# Altium PCB PCB_121224_01AA.PcbDoc (part 2 of 2)
Units mm, origin at the board's own origin, x right, y up, seen from the top; angles counter-clockwise.
Board outline 80 x 51 mm, 4 copper layers (Top Layer, Layer 1, Layer 2, Bottom Layer), stack 1.578 mm thick; 124 components, 66 nets, 343 pads, 298 vias.
Unrouted connection lines stored in the file: 81.
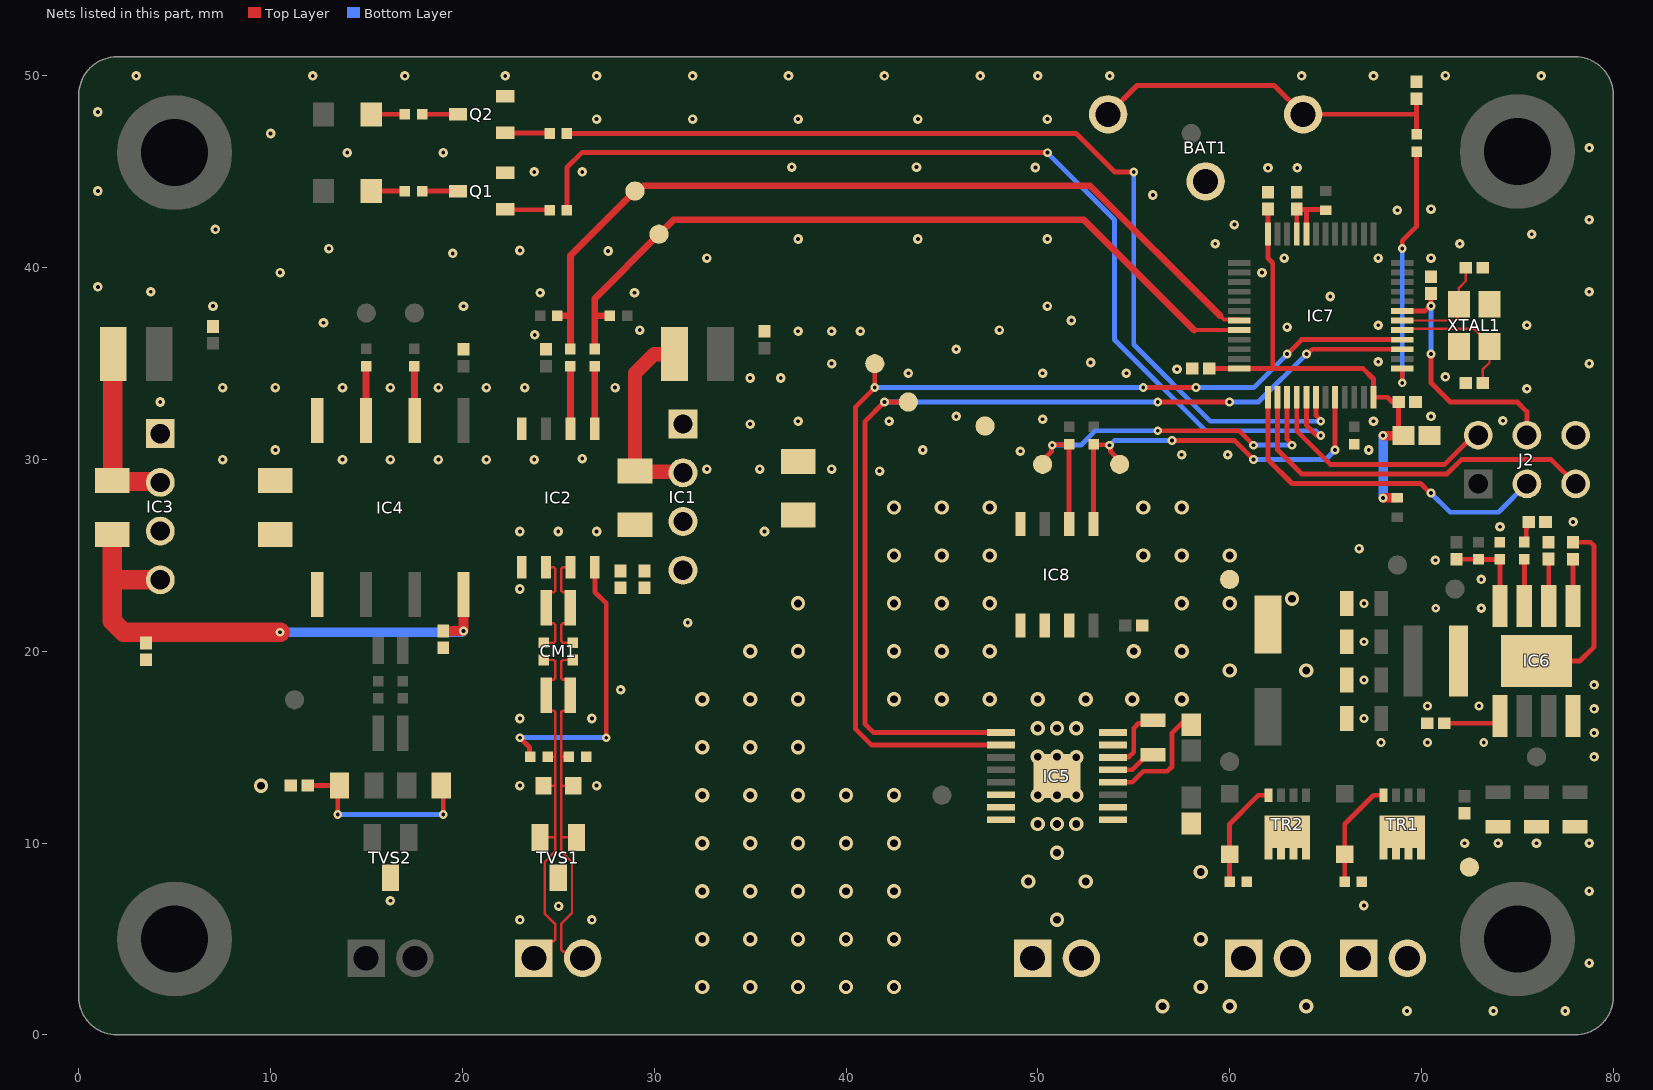
[diagram p4: the nets of this part, all layers, seen from the top]

## Via types
v1: diameter 0.5, hole 0.2, Top Layer to Bottom Layer, tented both sides, 157 vias
v2: diameter 0.75, hole 0.4, Top Layer to Bottom Layer, tented both sides, 88 vias
v3: diameter 0.46, hole 0.2, Top Layer to Bottom Layer, tented both sides, 53 vias

## Nets (pads, with @x,y where several pads share a name; then routed paths per layer and width w, separated by ;. In a path a pad name is that pad's centre, name@x,y a point inside that pad or via, vN(x,y) a via of type N, cw(c..) or ccw(c..) an arc to the next point about the centre after c; other vN are vias at no path point) (continued)
GND: BAT1.2 C2.1 C3.1 C5.1 C7.1 C10.1 C13.1 C14.2 C17.1 C18.1 C19.1 C20.1 C22.1 C23.1 C24.1 C25.1 C26.1 C27.1 C28.1 C30.1 C31.1 C32.1 C33.1 C34.1 C35.1 C36.1 C39.1 C41.1 C42.1 C43.1 CON4.1 CON5.1 IC1.1 IC2.4 IC3.1 IC4.4 IC5.6 IC5.7 IC5.9 IC5.15 IC5.16 IC5.EPAD IC6.4 IC8.4 IC8.5 IC8.6 IC8.7 J2.6 Q1.2 Q2.2 R17.1 R20.1 R21.1 R24.1 TP3.1 TP5.1 TP7.1 XTAL1.2 XTAL1.4
  other v1: 69.25,1.25 73.75,1.25 77.5,1.25 78.75,3.75 67,6.75 78.75,7.5 72.25,10 74,10 76,10 78.75,10 79,14.5 79,15.75 79,17 79,18.25 73.116,22.25 73.116,23.75 70.73,24.75 66.75,25.358 74.095,26.5 77.905,26.75 41.75,29.4 32.75,29.5 35.5,29.5 39.25,29.5 7.5,30 13.75,30 16.25,30 18.75,30 21.25,30 23.75,30 26.25,30.05 57.5,30.25 59.903,30.25 49.095,30.437 10.25,30.5 44,30.5 67.25,30.5 35,31.85 37.5,32 42.25,32 67.5,32 74.25,32.02 50.25,32.104 45.75,32.25 70.5,32.25 4.25,33 75.5,33.69 7.5,33.75 10.25,33.75 13.75,33.75 16.25,33.75 18.75,33.75 21.25,33.75 23.25,33.75 27.96,33.75 35,34.25 36.6,34.25 71.25,34.31 43.25,34.5 50.25,34.5 54.62,34.5 57.255,34.706 39.25,35 78.75,35 52.75,35.06 67.75,35.098 45.75,35.75 23.775,36.5 37.5,36.69 39.25,36.69 40.75,36.69 29.25,36.75 48,36.75 63,36.902 67.75,37 75.5,37 12.76,37.137 51.75,37.25 20.06,37.99 7,38 50.5,38 65.25,38.5 24.05,38.7 28.975,38.7 3.75,38.75 78.75,38.75 1,39 10.5,39.75 61.69,39.75 32.75,40.5 62.848,40.5 67.75,40.5 70.5,40.5 19.5,40.75 27.6,40.875 23,40.9 13.043,41 59.25,41.25 72,41.25 37.5,41.5 43.75,41.5 50.5,41.5 75.75,41.75 7.121,42 60.25,42.25 78.75,42.5 68.75,43 70.5,43.06 56,43.793 1,44 23.75,45 26.25,45 62,45.207 63.53,45.207 49.875,45.225 37.175,45.25 43.675,45.25 14,46 19,46 78.75,46.25 10,47 27,47.75 32,47.75 37.5,47.75 43.75,47.75 50.5,47.75 1,48.121 3,50 12.2,50 17,50 22.235,50 27,50 32,50 37,50 42,50 47,50 50,50 53.75,50 63.75,50 67.5,50 76.25,50 71.25,50.02
  other v2: 56.5,1.5 60,1.5 64,1.5 32.5,2.5 35,2.5 37.5,2.5 40,2.5 42.5,2.5 58.5,2.5 32.5,5 35,5 37.5,5 40,5 42.5,5 58.5,5 51,6 32.5,7.5 35,7.5 37.5,7.5 40,7.5 42.5,7.5 49.5,8 52.5,8 58.5,8.5 51,9.5 32.5,10 35,10 37.5,10 40,10 42.5,10 50,11 51,11 52,11 32.5,12.5 35,12.5 37.5,12.5 40,12.5 42.5,12.5 50,12.5 51,12.5 52,12.5 52,14.475 50,14.5 51,14.5 32.5,15 35,15 37.5,15 50,16 51,16 52,16 32.5,17.5 35,17.5 37.5,17.5 42.5,17.5 45,17.5 47.5,17.5 50,17.5 52.5,17.5 54.925,17.5 57.5,17.5 60,19 64,19 35,20 37.5,20 42.5,20 45,20 47.5,20 55,20 57.5,20 37.5,22.5 42.5,22.5 45,22.5 47.5,22.5 57.5,22.5 60,22.5 63.25,22.75 42.5,25 45,25 47.5,25 55.5,25 57.5,25 60,25 42.5,27.5 45,27.5 47.5,27.5 55.5,27.5 57.5,27.5
  other v3: 67.9,15.25 70.31,15.25 73.25,15.25 67,16.5 70.31,17.15 73,17.15 67,18.5 67,20.5 70.75,22.25 67,22.5
GND_CAN: C9.1 C11.1 C40.1 C41.2 IC3.3 IC4.5 TVS2.3
  other v1: 16.25,7
  other v2: 9.5,13
GND_RS485: C4.1 C6.1 C7.2 IC1.3 IC2.5 R9.1 TVS1.3
  other v1: 23,6 26.75,6 25.017,6.721 23,13 27,13 23,16.5 26.75,16.5 28.25,18 31.75,21.5 23,23.25 23,26.25 25,26.25 27,26.25 35.75,26.25
I2C_SCL: IC7.39 IC8.2 R23.1 TP15.1 | length 22
  Top Layer w0.254: TP15.1@50.25,29.75 50.25,29.952 50.711,30.412 50.711,30.711 v3(50.75,30.75) 50.775,30.775 51.61,30.775 R23.1@51.635,30.8 IC8.2@51.635,26.65 ; v3(56.25,31.5) 60.5,31.5 v3(61.25,30.75) ; IC7.39@63,33.25 63,31.056 63.25,30.806 v3(63.25,30.75)
  Bottom Layer w0.254: v3(50.75,30.75) 52.25,30.75 53,31.5 v3(56.25,31.5) ; v3(61.25,30.75) v3(63.25,30.75)
I2C_SDA: IC7.44 IC8.1 R22.1 TP14.1 | length 21.5
  Top Layer w0.254: IC8.1@52.905,26.65 R22.1@52.905,30.8 52.93,30.775 53.716,30.775 v3(53.741,30.75) 53.78,30.711 53.78,30.437 54.266,29.952 TP14.1@54.266,29.75 ; v3(57,30.991) 60.259,30.991 v3(61.25,30) ; v3(65.5,30.5) IC7.44@65.5,33.25
  Bottom Layer w0.254: v3(53.741,30.75) 53.752,30.75 53.993,30.991 v3(57,30.991) ; v3(61.25,30) 65,30 v3(65.5,30.5)
LED_1: IC7.41 R27.2 | length 54
  Top Layer w0.254: R27.2@25.45,43 25.45,45.225 26.225,46 v3(50.5,46) ; IC7.41@64,33.25 64,31.794 64.305,31.489 64.504,31.289 64.711,31.289 v3(64.75,31.25)
  Bottom Layer w0.254: v3(50.5,46) 54,42.5 54,36.25 58.75,31.5 64.498,31.5 64.748,31.25 v3(64.75,31.25)
LED_2: IC7.42 R28.2 | length 52.1
  Top Layer w0.254: R28.2@25.45,47 52,47 54,45 v3(55,45) ; IC7.42@64.5,33.25 64.5,32.306 64.75,32.056 v3(64.75,32)
  Bottom Layer w0.254: v3(55,45) 55,36 59,32 v3(64.75,32)
MOTOR_EN: IC5.1 IC7.3 TP9.1 | length 53.9
  Top Layer w0.254: TP9.1@43.25,33 v3(42,33) 41,32 41,16.2 41.425,15.775 IC5.1@48.073,15.775 ; v3(56.25,33) v3(60,33) ; v3(64,35.5) 64.056,35.5 64.306,35.75 IC7.3@69,35.75
  Bottom Layer w0.254: v3(42,33) v3(56.25,33) ; v3(60,33) 61.5,33 v3(64,35.5)
MOTOR_PH: IC5.2 IC7.4 TP8.1 | length 55.9
  Top Layer w0.254: TP8.1@41.5,35 v3(41.5,33.75) 40.5,32.75 40.5,15.95 41.325,15.125 IC5.2@48.073,15.125 ; v3(55.5,33.75) v3(58.25,33.75) ; v3(63,35.5) 63.75,36.25 IC7.4@69,36.25
  Bottom Layer w0.254: v3(41.5,33.75) v3(55.5,33.75) ; v3(58.25,33.75) 61.25,33.75 v3(63,35.5)
NetBAT1_1: BAT1.1 C43.2 R29.1 | length 19.2
  Top Layer w0.254: BAT1.1@53.67,48 55.17,49.5 62.33,49.5 BAT1.1@63.83,48 69.75,48 ; R29.1@69.755,46.945 R29.1@69.75,46.95 69.75,48 ; C43.2@69.755,48.805 C43.2@69.75,48.81 69.75,48
NetC1_1: C1.1 IC1.2 L1.2 | length 10.1
  Top Layer w0.75: L1.2@31.054,35.5 30,35.5 29,34.5 C1.1@29,29.4 29.045,29.355 31.455,29.355 IC1.2@31.5,29.31
NetC11_2: C11.2 R14.1 R15.1 | length 10.2
  Top Layer w0.254: C11.2@11.94,13 R14.1@13.6,13 13.5,12.9 v3(13.5,11.5) ; R15.1@18.9,13 19,12.9 v3(19,11.5)
  Bottom Layer w0.254: v3(13.5,11.5) v3(19,11.5)
NetC12_1: C12.1 IC5.12 | length 6.4
  Top Layer w0.254: IC5.12@53.927,13.175 54.925,13.175 55.5,13.75 56.75,13.75 57,14 57,15.75 57.5,16.25 57.925,16.25 C12.1@58,16.175
NetC16_1: C16.1 IC5.13 | length 2.4
  Top Layer w0.254: IC5.13@53.927,13.825 54.925,13.825 55.7,14.6 C16.1@56,14.6
NetC16_2: C16.2 IC5.14 | length 3.6
  Top Layer w0.254: IC5.14@53.927,14.475 53.952,14.5 54.75,14.5 55,14.75 55,16 55.25,16.25 55.85,16.25 C16.2@56,16.4
NetC21_1: C21.1 IC6.5 | length 2.4
  Top Layer w0.254: IC6.5@77.905,22.37 C21.1@77.905,24.811
NetC21_2: C21.2 IC6.9 L2.1 | length 9.7
  Top Layer w0.254: IC6.9@76,19.5 78.25,19.5 79,20.25 79,25.5 78.809,25.691 C21.2@77.905,25.691
NetC26_2: C26.2 IC6.1 | length 3.1
  Top Layer w0.254: C26.2@71.171,16.25 73.822,16.25 74.095,16.523 IC6.1@74.095,16.63
NetC27_2: C27.2 IC6.6 | length 2.4
  Top Layer w0.254: IC6.6@76.635,22.37 C27.2@76.635,24.816
NetC28_2: C28.2 R18.1 | length 0.9
  Top Layer w0.254: R18.1@75.365,25.701 75.462,25.799 75.462,26.402 C28.2@75.56,26.5
NetC29_1: C29.1 IC6.8 R19.2 R20.2 | length 4.7
  Top Layer w0.254: C29.1@71.831,24.808 71.834,24.805 71.837,24.802 72.969,24.802 R19.2@72.975,24.796 72.977,24.794 74.093,24.794 R20.2@74.095,24.792 IC6.8@74.095,22.37
NetC30_2: C30.2 IC7.20 IC7.21 L3.1 | length 4.1
  Top Layer w0.254: IC7.21@63.5,41.75 C30.2@63.5,43.06 63.53,43.03 64.97,43.03 L3.1@65,43 ; IC7.20@64,41.75 64,43
NetC31_2: C31.2 C32.2 C33.2 C34.2 IC7.24 IC7.36 IC7.48 L4.1 | length 26.8
  Top Layer w0.254: C33.2@58.94,34.75 IC7.36@60.5,34.75 61.644,34.75 62.25,34.75 ; C31.2@61.817,42.877 C31.2@62,43.06 IC7.24@62,41.75 62,40.75 62,40.5 62.25,40.25 62.25,34.75 ; L4.1@68.72,28.03 L4.1@68.75,28 ; C34.2@69.075,31.25 68.81,31.515 C32.2@68.81,33 68.48,33 68.23,33.25 IC7.48@67.5,33.25 67.5,34.2 66.95,34.75 62.25,34.75
  Top Layer w0.5: v3(68,28) L4.1@68.75,28 ; v3(68,31.25) C34.2@69.075,31.25
  Bottom Layer w0.5: v3(68,28) v3(68,31.25)
NetC38_1: C38.1 IC3.2 L5.2 | length 9.1
  Top Layer w1: L5.2@1.8,35.5 1.775,35.475 1.775,28.925 1.845,28.855 4.205,28.855 IC3.2@4.25,28.81
NetCON3_1: CON3.1 IC5.8
NetCON3_2: CON3.2 IC5.10
NetCON4_2: CON4.2 TR1.3
NetCON5_2: CON5.2 TR2.3
NetD1_1: D1.1 R17.2 TR1.2 | length 5.6
  Top Layer w0.254: R17.2@66,8 D1.1@66,9.425 66,11 67.5,12.5 TR1.2@68.025,12.5
NetD2_1: D2.1 R21.2 TR2.2 | length 5.6
  Top Layer w0.254: R21.2@60,8 D2.1@60,9.425 60,11 61.5,12.5 TR2.2@62.025,12.5
NetLED1_2: LED1.2 R25.2 | length 1.7
  Top Layer w0.254: LED1.2@15.25,44 R25.2@17,44
NetLED2_2: LED2.2 R26.2 | length 1.7
  Top Layer w0.254: LED2.2@15.25,48 R26.2@17,48
NetQ1_1: Q1.1 R27.1 | length 2.3
  Top Layer w0.254: Q1.1@22.235,43.05 22.26,43.025 24.525,43.025 R27.1@24.55,43
NetQ1_3: Q1.3 R25.1 | length 1.9
  Top Layer w0.254: R25.1@17.9,44 Q1.3@19.765,44
NetQ2_1: Q2.1 R28.1 | length 2.3
  Top Layer w0.254: Q2.1@22.235,47.05 22.26,47.025 24.525,47.025 R28.1@24.55,47
NetQ2_3: Q2.3 R26.1 | length 1.9
  Top Layer w0.254: R26.1@17.9,48 Q2.3@19.765,48
NetR6_2: IC2.1 R6.2 | length 3.3
  Top Layer w0.355: IC2.1@26.905,31.607 R6.2@26.905,34.865
NetR7_2: IC2.2 R7.2 | length 3.3
  Top Layer w0.355: IC2.2@25.635,31.607 R7.2@25.635,34.865
NetR11_2: IC4.3 R11.2 | length 2.8
  Top Layer w0.355: IC4.3@14.98,32.035 R11.2@14.98,34.875
NetR12_2: IC4.2 R12.2 | length 2.8
  Top Layer w0.355: R12.2@17.5,34.875 17.51,34.865 17.51,32.045 IC4.2@17.52,32.035
NetR18_2: IC6.7 R18.2 | length 2.4
  Top Layer w0.254: IC6.7@75.365,22.37 R18.2@75.365,24.801
NRST: C42.2 IC7.7 J2.4 | length 13.1
  Top Layer w0.254: IC7.7@69,37.75 70.194,37.75 70.444,38 v3(70.5,38) C42.2@70.5,38.658 ; v3(70.5,35.5) 70.5,34 71.5,33 75,33 75.5,32.5 J2.4@75.5,31.27
  Bottom Layer w0.254: v3(70.5,35.5) v3(70.5,38)
OSC_IN: C35.2 IC7.5 XTAL1.1 | length 7.1
  Top Layer w0.127: IC7.5@69,36.75 69.066,36.816 72.759,36.816 73.55,36.025 XTAL1.1@73.55,35.9 73.55,35.05 73.19,34.69 C35.2@73.19,34
OSC_OUT: C36.2 IC7.6 XTAL1.3 | length 5.7
  Top Layer w0.127: IC7.6@69,37.25 71.75,37.25 71.9,37.4 71.9,38.05 XTAL1.3@71.95,38.1 71.95,38.95 72.31,39.31 C36.2@72.31,40
RS485__N: CM1.2 IC2.6 R8.1 | length 5.5
  Top Layer w0.125: R8.1@24.25,20.45 24.763,20.45 24.836,20.523 24.836,21.147 24.836,21.396 24.763,21.469 24.602,21.469 24.365,21.707 CM1.2@24.365,22.275 24.365,22.843 24.602,23.081 24.763,23.081 24.836,23.154 24.836,24.32 24.763,24.393 IC2.6@24.365,24.393
RS485__P: CM1.1 IC2.7 R5.1 | length 5.5
  Top Layer w0.125: IC2.7@25.635,24.393 25.237,24.393 25.164,24.32 25.164,23.154 25.237,23.081 25.398,23.081 25.635,22.843 CM1.1@25.635,22.275 25.635,21.707 25.398,21.469 25.237,21.469 25.164,21.396 25.164,21.011 25.164,20.523 25.237,20.45 R5.1@25.75,20.45
RS485_N: CM1.3 CON1.1 R3.2 R4.2 R8.2 TVS1.2 | length 19.4
  Top Layer w0.125: CON1.1@23.73,4 24.626,4.896 24.763,4.896 24.836,4.969 24.836,5.79 24.285,6.34 24.285,9.01 24.836,9.56 24.836,10.3 ; TVS1.2@24.05,10.3 24.836,10.3 ; R4.2@24.225,13 24.836,13 ; R8.2@24.25,19.55 24.763,19.55 24.836,19.477 24.836,18.853 24.836,18.604 24.763,18.531 24.602,18.531 24.365,18.293 CM1.3@24.365,17.725 24.365,17.157 24.602,16.919 24.763,16.919 24.836,16.846 24.836,14.5 ; R3.2@24.45,14.5 24.836,14.5 ; 24.836,10.3 24.836,13 ; 24.836,13 24.836,14.5
RS485_P: CM1.4 CON1.2 R4.1 R5.2 R9.2 TVS1.1 | length 19.8
  Top Layer w0.125: R9.2@25.55,14.5 25.164,14.5 ; R5.2@25.75,19.55 25.237,19.55 25.164,19.477 25.164,18.989 25.164,18.604 25.237,18.531 25.398,18.531 25.635,18.293 CM1.4@25.635,17.725 25.635,17.157 25.398,16.919 25.237,16.919 25.164,16.846 25.164,14.5 ; R4.1@25.775,13 25.164,13 ; TVS1.1@25.95,10.3 25.164,10.3 ; CON1.2@26.27,4 25.921,4.349 25.249,4.349 25.164,4.434 25.164,5.81 25.715,6.36 25.715,9.01 25.164,9.56 25.164,10.3 ; 25.164,10.3 25.164,13 ; 25.164,13 25.164,14.5
RS485_RX: IC7.32 R2.1 R6.1 TP11.1 | length 41.1
  Top Layer w0.2: 58.152,36.75 IC7.32@60.5,36.75
  Top Layer w0.355: R6.1@26.905,35.765 26.905,37.5 ; R2.1@27.685,37.5 26.905,37.5 ; 58.152,36.75 52.402,42.5 31,42.5 TP11.1@30.25,41.75 26.905,38.405 26.905,37.5
RS485_TX: IC7.31 R1.1 R7.1 TP10.1 | length 44.8
  Top Layer w0.2: 59.5,37.5 59.698,37.302 60.448,37.302 IC7.31@60.5,37.25
  Top Layer w0.355: R1.1@24.95,37.5 25.635,37.5 ; R7.1@25.635,35.765 25.635,37.5 ; 59.5,37.5 52.725,44.275 29.45,44.275 29.175,44 TP10.1@29,44 25.635,40.635 25.635,37.5
SWCLK: IC7.38 J2.5 | length 19.6
  Top Layer w0.254: IC7.38@62.5,33.25 62.5,30.5 63.676,29.324 63.75,29.25 71.331,29.25 72.081,30 76.77,30 J2.5@78.04,28.73
SWDIO: IC7.37 J2.3 | length 18.5
  Top Layer w0.254: IC7.37@62,33.25 62,30 63.25,28.75 69.956,28.75 70.456,28.25 v3(70.5,28.25)
  Bottom Layer w0.254: v3(70.5,28.25) 71.5,27.25 74.02,27.25 J2.3@75.5,28.73
TRACESWO: IC7.40 J2.2 | length 12.6
  Top Layer w0.254: IC7.40@63.5,33.25 63.5,31.5 65.25,29.75 71.211,29.75 72.731,31.27 J2.2@72.96,31.27
VBAT: IC7.1 R29.2 | length 13.1
  Top Layer w0.254: v3(69,34) IC7.1@69,34.75 ; v3(69,41) 69,41.403 69.75,42.153 R29.2@69.75,46.05
  Bottom Layer w0.254: v3(69,34) v3(69,41)
VCC_CAN: C9.2 C38.2 C40.2 IC3.4 IC4.8 | length 28.5
  Top Layer w0.5: C9.2@19,21.06 v3(20.06,21.06) IC4.8@20.06,22.965
  Top Layer w1: C38.2@1.75,26.1 1.75,23.73 ; IC3.4@4.25,23.73 1.75,23.73 ; v3(10.5,21) 2.336,21 1.75,21.586 1.75,23.73
  Bottom Layer w0.5: v3(10.5,21) v3@20,21
VCC_RS485: C1.2 C4.2 C6.2 IC1.4 IC2.8 R3.1 | length 14.9
  Top Layer w0.254: v3(23,15.5) 23.5,15 23.5,14.55 R3.1@23.55,14.5 ; IC2.8@26.905,24.393 26.905,23.095 27.5,22.5 v3(27.5,15.5)
  Bottom Layer w0.254: v3(23,15.5) v3(27.5,15.5)
pads on no net: F1.1 F2.1 F3.1 F4.1 H1.1 H2.1 H3.1 H4.1 IC5.3 IC5.4 IC7.2 IC7.8 IC7.9 IC7.10 IC7.11 IC7.12 IC7.13 IC7.14 IC7.15 IC7.16 IC7.17 IC7.18 IC7.19 IC7.22 IC7.23 IC7.25 IC7.26 IC7.27 IC7.28 IC7.29 IC7.30 IC7.35 IC7.43 IC7.46 IC7.47 IC8.3
copper on no net: | length 1.2
  Top Layer w0.2: 436.524,211.664 437.691,211.664

## Polygon pours and split planes (outlines as drawn)
GND on Bottom Layer "Bottom Layer-GND" (solid, pour order 38): 77.75,0.75 79.25,2.25 79.25,48.75 77.25,50.75 2.25,50.75 0.25,48.75 0.25,29.25 42.75,29.25 32.75,19.25 29.75,16.25 29.75,0.75 66.75,0.75
GND_CAN on Bottom Layer "GND_CAN_L04_P035" (solid, pour order 35): 0.5,26.75 20,26.75 20,19.5 20,5.5 10.5,5.5 0.5,15.5
GND_RS485 on Bottom Layer "GND_RS485_L04_P031" (solid, pour order 31): 22.5,5.5 27.5,5.5 27.5,16.5 37.5,26.5 38.5,26.5 38.5,27 22.5,27
GND on Top Layer (solid, pour order 41): 30,1 30.5,0.5 78,0.5 79.5,2 79.5,48.5 77.5,50.5 2.5,50.5 0.5,48.5 0.5,29 39.875,29 39.875,25.875 30,16
GND_CAN on Top Layer "GND_CAN_L01_P036" (solid, pour order 36): 0.5,26.75 20,26.75 20,19.5 20,5.5 10.5,5.5 0.5,15.5
GND_RS485 on Top Layer "GND_RS485_L01_P029" (solid, pour order 29): 22.5,5.5 27.5,5.5 27.5,16.5 37.45,26.45 38.5,26.45 38.5,27 22.5,27
NetCON3_2 on Top Layer "Top Layer-NetCON3_2" (solid, pour order 37): 52,3 56.5,3 57,3.5 57,11.5 56.447,12.053 53.197,12.053 53.197,11.697 54.803,11.697 55.25,11.25 55.25,10.75 55,10.5 54,10.5 53.75,10.25 53.75,5 52,5
VCC_RS485 on Top Layer "Top Layer-VCC_RS485" (solid, pour order 8): 26.651,23.809 27.449,23.809 27.5,23.86 32.25,23.86 32.25,25 29.9,25 29.9,27 28.1,27 28.1,25 26.674,25 26.651,24.977
+5V on Top Layer "Top Layer-+5V" (solid, pour order 27): 65.55,12.125 66.45,12.125 66.45,13.025 66.675,13.25 68.465,13.25 68.465,12.15 78.65,12.15 78.75,12.25 78.75,13.815 77,15.565 77,17.75 74.985,17.75 74.965,17.73 74.965,15.53 74.185,14.75 65.75,14.75 65.55,14.55
NetC21_2 on Top Layer "NETC21_2_L01_P017" (solid, pour order 17): 77.85,18.15 72.925,18.15 72.425,17.65 71.445,17.65 71.445,21.35 72.425,21.35 72.925,20.85 77.85,20.85
+3V3 on Top Layer "+3V3_L01_P024" (solid, pour order 24): 67.55,15.85 68.255,15.85 70.055,17.65 70.055,27.25 67.55,27.25
NetCON4_2 on Top Layer "NETCON4_2_L01_P016" (solid, pour order 16): 67.815,11.455 67.815,5.86 68.3,5.375 68.3,4 70.245,4 70.185,4.06 70.185,11.455
NetCON5_2 on Top Layer "NETCON5_2_L01_P015" (solid, pour order 15): 61.815,11.455 61.815,5.935 62.25,5.5 62.25,4 64.25,4 64.185,4.065 64.185,11.455
+12V on Top Layer "+12V_L01_P014" (solid, pour order 14): 53.197,12.347 56.653,12.347 56.875,12.125 60.45,12.125 61.325,13 62.465,13 62.465,12.15 64.185,12.15 64.185,17.565 63.65,18.1 61.3,18.1 58.6,15.4 57.5,15.4 57.5,14.25 56.75,13.5 55.75,13.5 54.953,12.703 53.197,12.703
NetCON3_1 on Top Layer "NETCON3_1_L01_P009" (solid, pour order 9): 48.803,11.403 44.903,11.403 44.5,11 44.5,3.5 45,3 50.75,3 50.75,5 48.25,5 48.25,10.5 48.75,10.5 48.803,10.553
GND_RS485 on Layer 2 (split plane): 28.291,17.209 28.205,17.11 28.132,17.001 28.074,16.884 28.032,16.759 28.006,16.631 27.998,16.5 27.998,0.51 22.252,0.51 22.252,26.748 37.831,26.748
GND_CAN on Layer 2 (split plane): 20.248,0.51 2,0.51 1.985,0.509 1.833,0.518 1.668,0.546 1.507,0.592 1.353,0.656 1.206,0.737 1.07,0.834 0.945,0.945 0.834,1.07 0.737,1.206 0.656,1.353 0.592,1.507 0.546,1.668 0.518,1.833 0.509,1.985 0.51,2 0.51,26.748 20.248,26.748
GND on Layer 2 (split plane): 2,50.49 78,50.49 78.015,50.491 78.167,50.482 78.332,50.454 78.493,50.408 78.647,50.344 78.794,50.263 78.93,50.166 79.055,50.055 79.166,49.93 79.263,49.794 79.344,49.647 79.408,49.493 79.454,49.332 79.482,49.167 79.491,49.015 79.49,49 79.49,2 79.491,1.985 79.482,1.833 79.454,1.668 79.408,1.507 79.344,1.353 79.263,1.206 79.166,1.07 79.055,0.945 78.93,0.834 78.794,0.737 78.647,0.656 78.493,0.592 78.332,0.546 78.167,0.518 78.015,0.509 78,0.51 30.002,0.51 30.002,16.085 40.959,27.041 41.045,27.14 41.091,27.208 41.118,27.249 41.157,27.328 41.176,27.366 41.218,27.491 41.244,27.619 41.252,27.75 41.244,27.881 41.218,28.009 41.176,28.134 41.118,28.251 41.081,28.306 41.045,28.36 40.959,28.459 40.86,28.545 40.806,28.581 40.751,28.618 40.634,28.676 40.509,28.718 40.381,28.744 40.25,28.752 21.336,28.752 21.293,28.749 21.25,28.752 0.51,28.752 0.51,49 0.509,49.015 0.518,49.167 0.546,49.332 0.592,49.493 0.656,49.647 0.737,49.794 0.834,49.93 0.945,50.055 1.07,50.166 1.206,50.263 1.353,50.344 1.507,50.408 1.668,50.454 1.833,50.482 1.985,50.491
GND_RS485 on Layer 1 (split plane): 28.291,17.209 28.205,17.11 28.132,17.001 28.074,16.884 28.032,16.759 28.006,16.631 27.998,16.5 27.998,0.51 22.252,0.51 22.252,26.748 37.831,26.748
GND_CAN on Layer 1 (split plane): 20.248,0.51 2,0.51 1.985,0.509 1.833,0.518 1.668,0.546 1.507,0.592 1.353,0.656 1.206,0.737 1.07,0.834 0.945,0.945 0.834,1.07 0.737,1.206 0.656,1.353 0.592,1.507 0.546,1.668 0.518,1.833 0.509,1.985 0.51,2 0.51,26.748 20.248,26.748
GND on Layer 1 (split plane): 2,50.49 78,50.49 78.015,50.491 78.167,50.482 78.332,50.454 78.493,50.408 78.647,50.344 78.794,50.263 78.93,50.166 79.055,50.055 79.166,49.93 79.263,49.794 79.344,49.647 79.408,49.493 79.454,49.332 79.482,49.167 79.491,49.015 79.49,49 79.49,2 79.491,1.985 79.482,1.833 79.454,1.668 79.408,1.507 79.344,1.353 79.263,1.206 79.166,1.07 79.055,0.945 78.93,0.834 78.794,0.737 78.647,0.656 78.493,0.592 78.332,0.546 78.167,0.518 78.015,0.509 78,0.51 30.002,0.51 30.002,16.085 40.959,27.041 41.045,27.14 41.091,27.208 41.118,27.249 41.157,27.328 41.176,27.366 41.218,27.491 41.244,27.619 41.252,27.75 41.244,27.881 41.218,28.009 41.176,28.134 41.118,28.251 41.081,28.306 41.045,28.36 40.959,28.459 40.86,28.545 40.806,28.581 40.751,28.618 40.634,28.676 40.509,28.718 40.381,28.744 40.25,28.752 21.336,28.752 21.293,28.749 21.25,28.752 0.51,28.752 0.51,49 0.509,49.015 0.518,49.167 0.546,49.332 0.592,49.493 0.656,49.647 0.737,49.794 0.834,49.93 0.945,50.055 1.07,50.166 1.206,50.263 1.353,50.344 1.507,50.408 1.668,50.454 1.833,50.482 1.985,50.491

## Keep-outs
Keep-Out Layer:
  the board outline again, w0.1

## Other copper
Layer 1 (plane layer: these items are gaps in the copper):
  lines w2: 0,27.75 21.25,27.75 21.25,0 ; 21.25,27.664 21.336,27.75 40.25,27.75 29,16.5 29,0
Layer 2 (plane layer: these items are gaps in the copper):
  lines w2: 0,27.75 21.25,27.75 21.25,0 ; 21.336,27.75 40.25,27.75 29,16.5 29,0

## Silkscreen, mask and mechanical layers (free items; w line width, h text height)
Top Overlay:
  text "'.pDocumentNumber'" at 30,48.75 h1.52
Bottom Overlay:
  text "'.pDocumentNumber'" at 41.75,48.75 h1.52
Mechanical 24:
  lines w0.127: -107.077,-13.578 -101.997,-13.578 ; -107.077,34.682 -101.997,34.682 ; -107.077,82.942 -101.997,82.942 ; -101.997,-52.847 179.943,-52.847 ; -34.052,-61.838 -34.052,-56.758 ; -34.052,126.122 -34.052,131.202 ; -25.822,-37.024 104.912,-37.024 ; -25.822,-30.177 104.828,-30.177 ; -25.822,-22.189 104.912,-22.189 ; -25.822,-14.327 104.912,-14.327 ; -25.822,1.538 104.912,1.538 ; -25.822,9.484 104.912,9.484 ; -25.822,16.331 104.828,16.331 ; -25.822,24.32 104.912,24.32 ; -25.822,32.181 104.912,32.181 ; -25.822,40.085 104.912,40.085 ; -25.822,47.016 104.912,47.016 ; -25.822,53.948 104.912,53.948 ; -25.822,60.443 104.861,60.443 ; -25.822,67.008 104.912,67.008 ; -16.185,97.902 -16.168,97.92 95.362,97.92 ; -11.55,-44.97 -11.55,-6.314 ; -11.55,-6.366 -11.55,78.843 ; 13.913,-44.973 13.913,-6.314 ; 13.913,-6.366 13.913,78.843 ; 21,87.311 21,109.739 21.015,109.754 ; 38.973,-61.838 38.973,-56.758 ; 38.973,126.122 38.973,131.202 ; 58.201,87.311 58.201,109.754 ; 67.751,-44.97 67.751,-6.644 67.751,-6.339 ; 67.751,-6.308 67.751,78.927 ; 111.998,-61.838 111.998,-56.758 ; 111.998,126.122 111.998,131.202 ; 179.943,-13.578 185.023,-13.578 ; 179.943,34.682 185.023,34.682 ; 179.943,82.942 185.023,82.942 ; -101.997,-56.758 179.943,-56.758 ; -101.997,-56.758 179.943,-56.758 ; -101.997,-56.758 -101.997,126.122 179.943,126.122 179.943,-56.758 ; -25.822,-6.366 -25.822,-44.97 104.912,-44.97 104.912,-6.366 ; -25.822,-6.366 -25.822,78.927 104.912,78.927 104.912,-6.366 ; -25.822,-6.366 104.912,-6.366 ; 179.943,-56.758 65.643,-56.758 179.943,-56.758 ; 179.943,-56.758 179.943,-26.278 179.943,-56.758 ; -107.077,-61.838 185.023,-61.838 185.023,131.202 -107.077,131.202 -107.077,-61.838 ; -16.185,87.311 95.362,87.311 95.362,109.754 -16.185,109.754 -16.185,87.311
  text "1" at -70.831,127.773 h1.78
  text "2" at 1.813,127.773 h1.78
  text "3" at 74.965,127.773 h1.78
  text "4" at 147.863,127.773 h1.78
  text ".DocumentName" at -92.32,114.972 h4.57
  text "A" at -105.172,104.76 h1.78
  text "A" at 183.118,104.76 h1.78
  text "ONAYLAYAN" at 69.123,103.135 h2.03
  text "KONTROL EDEN" at 28.737,102.957 h2.03
  text "HAZIRLAYAN" at -7.179,102.906 h2.03
  text "DONANIM MUHENDISI /  / .pPreparedBy" at -14.382,89.139 h1.52
  text "KALITE KONTROL SORUMLUSU /  / .FO_CheckedBy" at 21.472,89.139 h1.52
  text "PROJE YONETICISI /  / .FO_ApprovedBy" at 60.004,89.139 h1.52
  text "DEGISIKLIK KAYITLARI" at 22.488,79.716 h2.03
  text "Yayin Tarihi" at -9.617,72.045 h2.03
  text "Aciklama" at 32.75,72.045 h2.03
  text "Revize Eden" at 76.285,72.045 h2.03
  text "Rev. / Kodu" at -23.511,70.648 h2.03
  text "+" at -24.426,63.155 h1.52
  text "29.06.2020" at -9.617,63.155 h1.52
  text "ilk yayin" at 15.427,63.155 h1.52
  text "B" at -105.172,56.704 h1.78
  text "B" at 181.848,56.704 h1.78
  text "C" at -105.172,8.19 h1.78
  text "C" at 181.848,8.19 h1.78
  text "D" at -105.172,-39.816 h1.78
  text "D" at 181.848,-39.816 h1.78
  text "Rev kayitlari 01,02,03,... seklinde devam edecektir." at -25.67,-47.538 h1.52
  text "(c) 2021 by MCM TASARIM URETIM ELEKTRONIK TIC.A.S All rights Reserved. No part of this document may be produced or transmitted in any form or by any means electronic, mechanical, photocopying, recording, or otherwise, without prior written permission of MCM." at -100.753,-55.505 h1.27
  text "1" at -70.933,-60.187 h1.78
  text "2" at 1.813,-60.187 h1.78
  text "3" at 74.965,-60.187 h1.78
  text "4" at 147.863,-60.187 h1.78
Mechanical 25:
  rectangle: -100.448,-28.844 -94.326,-27.777
  lines w0.127: -93.64,-27.088 -93.615,-27.063
  lines w0.254: -101.05,-29.628 -93.64,-29.628 -93.64,-27.088 -101.05,-27.088 -101.05,-29.628
  text "Yesil ile tarali alanlar; araldite uygulanmasi gereken alanlardir." at -91.913,-29.301 h1.52
Mechanical 26:
  region: 178.393,-27.777 172.272,-27.777 172.272,-28.844 178.393,-28.844
  lines w0.127: 171.561,-27.063 171.586,-27.088
  lines w0.254: 171.586,-29.628 171.586,-27.088 178.995,-27.088 178.995,-29.628 171.586,-29.628
  text "Yesil ile tarali alanlar; araldite uygulanmasi gereken alanlardir." at 170.011,-29.961 h1.52
Mechanical 27:
  lines w0.042: 70.723,-50.273 179.928,-50.273 ; 70.723,-47.737 179.928,-47.737 ; 70.723,-45.201 136.78,-45.201 179.892,-45.201 ; 80.886,-52.809 80.886,-45.201 ; 103.751,-52.809 103.751,-32.521 ; 103.751,-42.665 179.928,-42.665 ; 103.751,-37.593 179.928,-37.593 ; 113.914,-52.809 113.914,-42.665 ; 136.78,-52.809 136.78,-37.593 ; 155.792,-52.809 155.792,-42.665 ; 70.723,-32.521 179.928,-32.521 70.723,-32.521 ; 70.723,-32.521 70.723,-52.809 70.723,-32.521
  lines w0.127: -107.077,-13.578 -101.997,-13.578 ; -107.077,34.682 -101.997,34.682 ; -107.077,82.942 -101.997,82.942 ; -101.997,-52.847 179.943,-52.847 ; -93.64,-40.679 -93.615,-40.654 ; -34.052,-61.838 -34.052,-56.758 ; -34.052,126.122 -34.052,131.202 ; 38.973,-61.838 38.973,-56.758 ; 38.973,126.122 38.973,131.202 ; 111.998,-61.838 111.998,-56.758 ; 111.998,126.122 111.998,131.202 ; 179.943,-13.578 185.023,-13.578 ; 179.943,34.682 185.023,34.682 ; 179.943,82.942 185.023,82.942 ; -101.997,-56.758 -101.997,126.122 179.943,126.122 179.943,-56.758 ; -101.997,-56.758 179.943,-56.758 ; -101.997,-56.758 179.943,-56.758 ; 179.943,-56.758 65.643,-56.758 179.943,-56.758 ; 179.943,-56.758 179.943,-26.278 179.943,-56.758 ; -107.077,-61.838 -107.077,131.202 185.023,131.202 185.023,-61.838 -107.077,-61.838
  lines w0.254: -101.05,-47.741 -101.05,-45.201 -93.64,-45.201 -93.64,-47.741 -101.05,-47.741 ; -101.05,-43.219 -101.05,-40.679 -93.64,-40.679 -93.64,-43.219 -101.05,-43.219
  text "1" at -70.831,127.773 h1.78
  text "2" at 1.813,127.773 h1.78
  text "3" at 74.965,127.773 h1.78
  text "4" at 147.863,127.773 h1.78
  text "A" at -105.172,104.76 h1.78
  text "A" at 183.118,104.76 h1.78
  text "B" at -105.172,56.704 h1.78
  text "B" at 181.848,56.704 h1.78
  text "C" at -105.172,8.19 h1.78
  text "C" at 181.848,8.19 h1.78
  text ".pPBADescription" at 104.124,-36.489 h3.81
  text "D" at -105.172,-39.816 h1.78
  text "D" at 181.848,-39.816 h1.78
  text ".DocumentName" at 105.775,-40.68 h1.52
  text "FO_.pDocumentNumber _.VariantName" at 137.271,-41.061 h2.54
  text "Kirmizi file ile tarali olan  malzemeler dizilmeyecektir (NC)." at -91.863,-42.534 h1.52
  text "NOT1" at -100.288,-42.711 h1.52
  text "PBA Rev" at 149.463,-44.236 h1.52
  text "FO Doc.Rev" at 104.869,-44.313 h1.52
  text ".pPBARevision.VariantName" at 156.194,-44.49 h1.52
  text ".pFoRevision" at 114.775,-44.533 h1.52
  text "FO Tarih/Date" at 104.869,-46.789 h1.52
  text "Scale" at 150.606,-46.903 h1.52
  text "Yapilmasi gereken islemlerin detaylari icin MA_PBA_.pProjectCode _.pPBACode _.pPBARevision.VariantName dokumanina bakiniz." at -91.841,-46.979 h1.52
  text ".Print_Scale" at 156.194,-47.03 h1.52
  text "Haz/Prep" at 70.85,-47.055 h1.52
  text ".pFoDate" at 114.786,-47.069 h1.52
  text ".pPreparedBy" at 81.137,-47.157 h1.52
  text "NOT2" at -100.422,-47.285 h1.52
  text "Ortam/Env" at 104.877,-49.307 h1.52
  text ".pDesignEnvironment" at 114.783,-49.434 h1.52
  text "Kont/Check" at 70.85,-49.57 h1.52
  text ".FO_CheckedBy" at 81.137,-49.57 h1.52
  text "SAYFA : .Plot_File_Name" at -100.37,-51.648 h1.52
  text "Onay/Appr" at 70.85,-52.085 h1.52
  text ".FO_ApprovedBy" at 81.137,-52.237 h1.52
  text "(c) 2021 by MCM All rights Reserved. No part of this document may be produced or transmitted in any form or by any means electronic, mechanical, photocopying, recording, or otherwise, without prior written permission of MCM." at -100.753,-55.505 h1.27
  text "1" at -70.933,-60.187 h1.78
  text "2" at 1.813,-60.187 h1.78
  text "3" at 74.965,-60.187 h1.78
  text "4" at 147.863,-60.187 h1.78
Mechanical 28:
  lines w0.042: -101.982,-50.273 7.222,-50.273 ; -101.982,-47.737 7.222,-47.737 ; -101.982,-42.665 -25.806,-42.665 ; -101.982,-37.593 -25.806,-37.593 ; -101.946,-45.201 -58.834,-45.201 7.222,-45.201 ; -77.846,-52.809 -77.846,-42.665 ; -58.834,-52.809 -58.834,-37.593 ; -35.968,-52.809 -35.968,-42.665 ; -25.806,-52.809 -25.806,-32.521 ; -2.94,-52.809 -2.94,-45.201 ; 7.222,-32.521 -101.982,-32.521 7.222,-32.521 ; 7.222,-32.521 7.222,-52.809 7.222,-32.521
  lines w0.127: -107.077,-13.578 -101.997,-13.578 ; -107.077,34.682 -101.997,34.682 ; -107.077,82.942 -101.997,82.942 ; -34.052,-61.838 -34.052,-56.758 ; -34.052,126.122 -34.052,131.202 ; 38.973,-61.838 38.973,-56.758 ; 38.973,126.122 38.973,131.202 ; 111.998,-61.838 111.998,-56.758 ; 111.998,126.122 111.998,131.202 ; 171.561,-40.654 171.586,-40.679 ; 171.561,-31.585 171.586,-31.61 ; 179.943,-13.578 185.023,-13.578 ; 179.943,34.682 185.023,34.682 ; 179.943,82.942 185.023,82.942 ; -101.997,-56.758 179.943,-56.758 ; -101.997,-56.758 12.303,-56.758 -101.997,-56.758 ; -101.997,-56.758 -101.997,-26.278 -101.997,-56.758 ; -101.997,-56.758 179.943,-56.758 ; -101.997,-56.758 -101.997,126.122 179.943,126.122 179.943,-56.758 ; -101.997,-56.758 179.943,-56.758 ; -107.077,-61.838 -107.077,131.202 185.023,131.202 185.023,-61.838 -107.077,-61.838 ; -101.997,-52.847 179.943,-52.847 -101.997,-52.847
  lines w0.254: 171.586,-47.741 171.586,-45.201 178.995,-45.201 178.995,-47.741 171.586,-47.741 ; 171.586,-43.219 171.586,-40.679 178.995,-40.679 178.995,-43.219 171.586,-43.219
  text "4" at -69.917,127.773 h1.78
  text "3" at 2.981,127.773 h1.78
  text "2" at 76.133,127.773 h1.78
  text "1" at 148.777,127.773 h1.78
  text "A" at -105.172,104.76 h1.78
  text "A" at 183.118,104.76 h1.78
  text "B" at -103.902,56.704 h1.78
  text "B" at 183.118,56.704 h1.78
  text "C" at -103.902,8.19 h1.78
  text "C" at 183.118,8.19 h1.78
  text ".pPBADescription" at -26.178,-36.489 h3.81
  text "D" at -103.902,-39.816 h1.78
  text "D" at 183.118,-39.816 h1.78
  text ".DocumentName" at -27.829,-40.68 h1.52
  text "FO_.pDocumentNumber _.VariantName" at -59.325,-41.061 h2.54
  text "Kirmizi file ile tarali olan  malzemeler dizilmeyecektir (NC)." at 169.808,-42.534 h1.52
  text "NOT1" at 178.233,-42.711 h1.52
  text "PBA Rev" at -71.517,-44.236 h1.52
  text "FO Doc.Rev" at -26.923,-44.313 h1.52
  text ".pPBARevision.VariantName" at -78.248,-44.49 h1.52
  text ".pFoRevision" at -36.829,-44.533 h1.52
  text "FO Tarih/Date" at -26.923,-46.789 h1.52
  text "Scale" at -72.66,-46.903 h1.52
  text "Yapilmasi gereken islemlerin detaylari icin MA_PBA_.pProjectCode _.pPBACode _.pPBARevision.VariantName dokumanina bakiniz." at 169.787,-46.979 h1.52
  text ".Print_Scale" at -78.248,-47.03 h1.52
  text "Haz/Prep" at 7.096,-47.055 h1.52
  text ".pFoDate" at -36.84,-47.069 h1.52
  text ".pPreparedBy" at -3.191,-47.157 h1.52
  text "NOT2" at 178.367,-47.285 h1.52
  text "Ortam/Env" at -26.932,-49.307 h1.52
  text ".pDesignEnvironment" at -36.838,-49.434 h1.52
  text ".FO_CheckedBy" at -3.191,-49.57 h1.52
  text "Kont/Check" at 7.096,-49.57 h1.52
  text "SAYFA : .Plot_File_Name" at 178.315,-51.648 h1.52
  text "Onay/Appr" at 7.096,-52.085 h1.52
  text ".FO_ApprovedBy" at -3.191,-52.237 h1.52
  text "(c) 2021 by MCM All rights Reserved. No part of this document may be produced or transmitted in any form or by any means electronic, mechanical, photocopying, recording, or otherwise, without prior written permission of MCM." at 178.698,-55.505 h1.27
  text "4" at -69.917,-60.187 h1.78
  text "3" at 2.981,-60.187 h1.78
  text "2" at 76.133,-60.187 h1.78
  text "1" at 148.879,-60.187 h1.78
Mechanical 29:
  rectangle: -98.568,-38.445 -96.536,-36.413
  lines w0.254: -101.05,-38.697 -93.64,-38.697 -93.64,-36.157 -101.05,-36.157 -101.05,-38.697
  text "Turuncu ile tarali alanlar; ecobond uygulanmasi gereken alanlari gostermektedir." at -92.04,-38.851 h1.52
Mechanical 30:
  rectangle: 174.482,-38.445 176.514,-36.413
  lines w0.254: 171.586,-38.697 178.995,-38.697 178.995,-36.157 171.586,-36.157 171.586,-38.697
  text "Turuncu ile tarali alanlar; ecobond uygulanmasi gereken alanlari gostermektedir." at 169.986,-38.851 h1.52
Mechanical 31:
  rectangle: -98.975,-33.822 -96.308,-31.917
  lines w0.127: -93.64,-31.61 -93.615,-31.585
  lines w0.254: -101.05,-34.15 -101.05,-31.61 -93.64,-31.61 -93.64,-34.15 -101.05,-34.15
  text "Mavi ile tarali alanlar; konformal kaplama sirasinda maskeleme uygulanmasi gereken alanlari gostermektedir." at -91.888,-33.695 h1.52
Mechanical 32:
  region: 176.92,-31.917 174.253,-31.917 174.253,-33.822 176.92,-33.822
  lines w0.254: 171.586,-34.15 178.995,-34.15 178.995,-31.61 171.586,-31.61 171.586,-34.15
  text "Mavi ile tarali alanlar; konformal kaplama sirasinda maskeleme uygulanmasi gereken alanlari gostermektedir." at 169.986,-34.355 h1.52
Mechanical 33:
  lines w0.254: -94.41,-23.841 -94.405,-23.836 ; -101.05,-25.106 -101.05,-22.566 -93.64,-22.566 -93.64,-25.106 -101.05,-25.106
  lines w0.508: -100.321,-23.841 -94.41,-23.841
  text "Mor ile gosterilen hatlar; kablo ile atlama uygulanan hatlardir." at -91.913,-24.779 h1.52
Mechanical 34:
  lines w0.254: 172.351,-23.836 172.356,-23.841 ; 171.586,-25.106 171.586,-22.566 178.995,-22.566 178.995,-25.106 171.586,-25.106
  lines w0.508: 172.356,-23.841 178.266,-23.841
  text "Mor ile gösterilen hatlar; kablo ile atlama uygulanan hatlardir." at 170.011,-25.439 h1.52

## Text inside footprints (layer, text, board x,y; h text height)
J2: Top Assembly (Mech13) "3" at 74.186,28.454 h0.5; Top Assembly (Mech13) "4" at 74.186,31.028 h0.5; Top Assembly (Mech13) "1" at 71.646,28.454 h0.5; Top Assembly (Mech13) "2" at 71.646,31.028 h0.5; Top Assembly (Mech13) "6" at 76.77,31.028 h0.5; Top Assembly (Mech13) "5" at 76.77,28.454 h0.5